# Altium PCB BOARD.PcbDoc
Units mm, origin at the board's own origin, x right, y up, seen from the top; angles counter-clockwise.
Board outline 22 x 50 mm, 2 copper layers (Top Layer, Bottom Layer), stack 1.559 mm thick; 78 components, 83 nets, 308 pads, 164 vias.
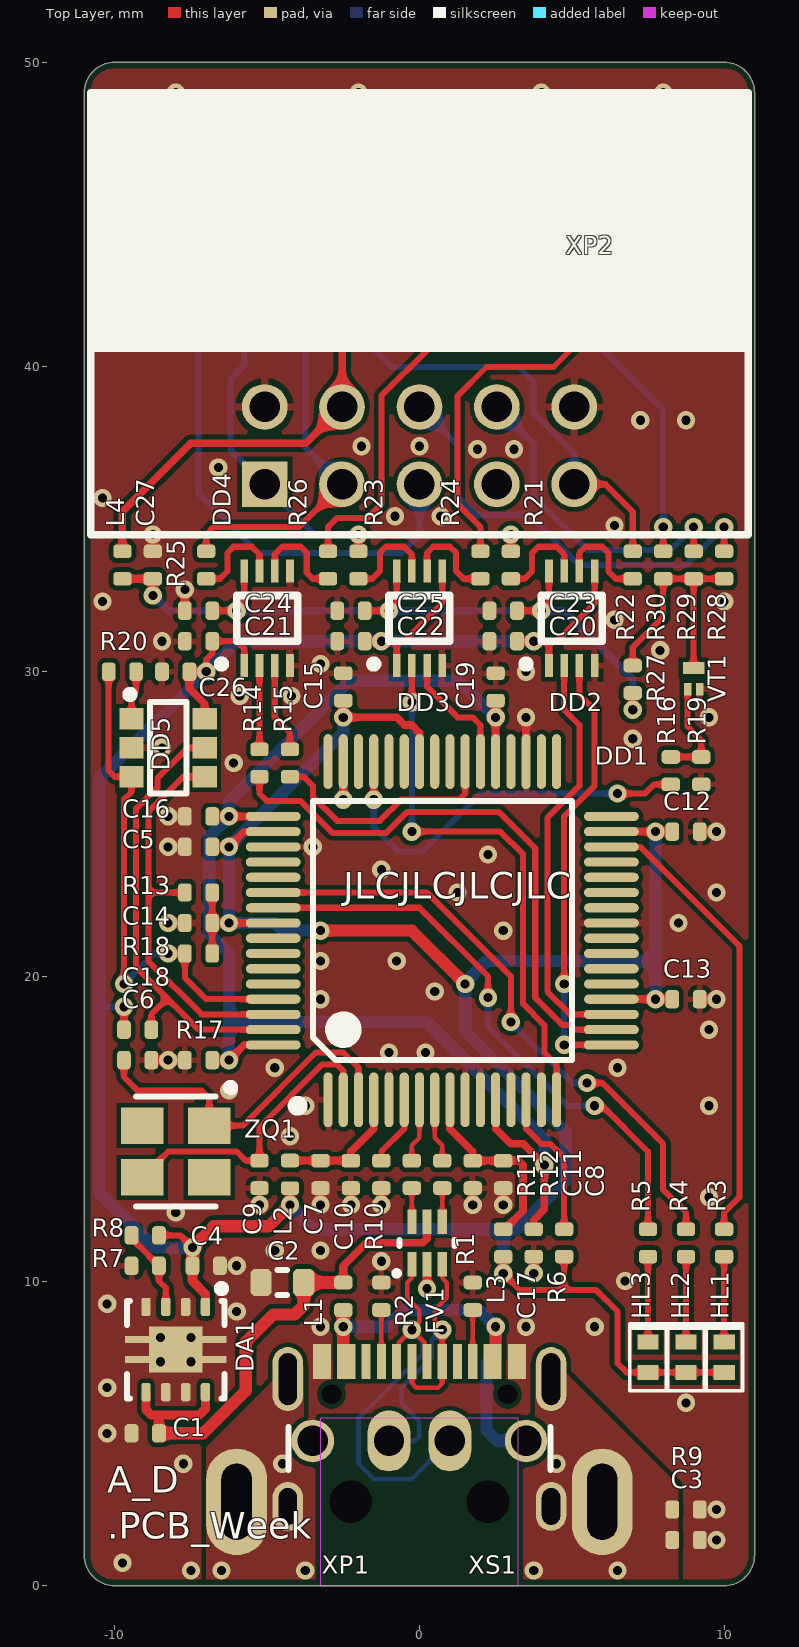
[diagram p0: Top Layer view]
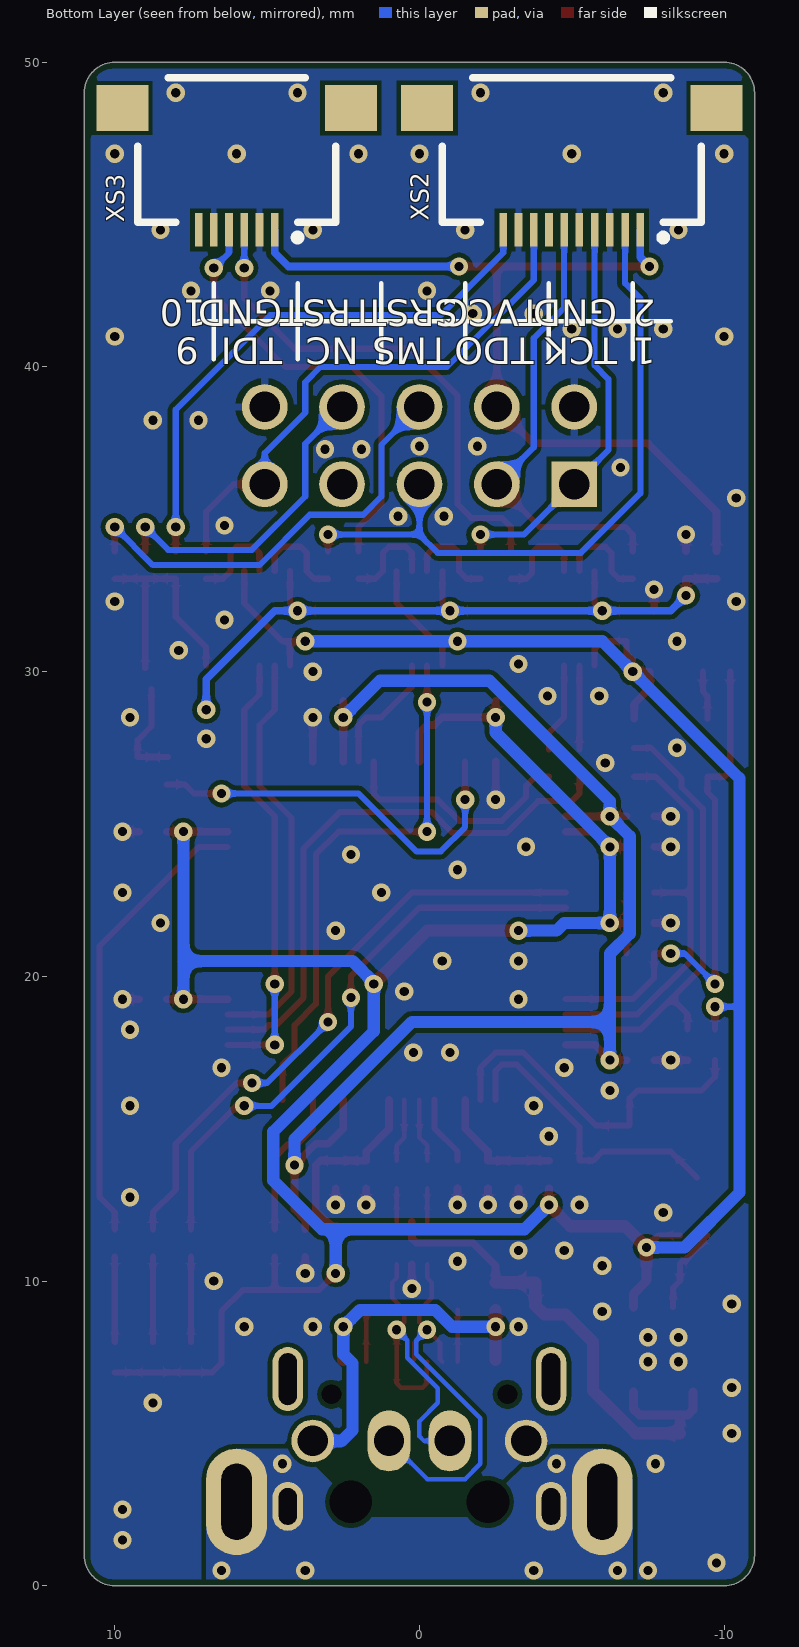
[diagram p1: Bottom Layer view, seen from below]
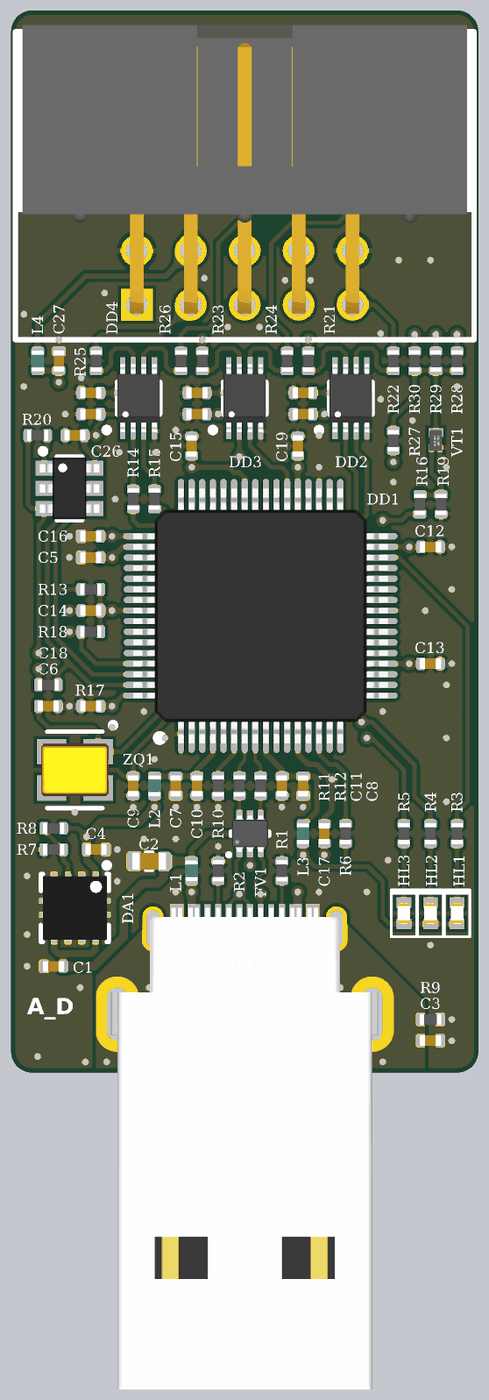
[diagram p2: 3D render of the assembled board from above, using the file's embedded part models]

## Layer stack, top to bottom
Top Solder: solder mask 0.01, Solder Resist, Dk 3.5
Top Layer: signal copper 0.03
Dielectric1: core 1.4986, Core-043, Dk 4.3
Bottom Layer: signal copper 0.03
Bottom Solder: solder mask 0.01, Solder Resist, Dk 3.5

## Board outline
-11,1 ccw(c-10,1) -10,0 10,0 ccw(c10,1) 11,1 11,49 ccw(c10,49) 10,50 -10,50 ccw(c-10,49) -11,49

## Design rules (kind name [scope] priority, off if disabled: settings)
BoardOutlineClearance [All] p1: gap=0.2 ignorepadtopadclearanceinfootprint=FALSE
Clearance [All] p1: gap=0.15 ignorepadtopadclearanceinfootprint=FALSE
ComponentClearance [All] p1 off: gap=0.25 collisioncheckmode=3 verticalgap=0.25 showdistances=FALSE
DiffPairsRouting [All] p1: maxlimit=0.4 minlimit=0.15 mostfreqgap=0.2 toplayer_minwidth=0.15 toplayer_maxwidth=0.15 toplayer_prefwidth=0.15 bottomlayer_minwidth=0.15 bottomlayer_maxwidth=0.15 bottomlayer_prefwidth=0.15 maxuncoupledlength=12
Height [All] p1: minheight=0 maxheight=25 prefheight=25
HoleSize [All] p1: absolutevalues=TRUE maxlimit=6 minlimit=0.3 maxpercent=80.000 minpercent=20.000
HoleToHoleClearance [All] p1: gap=0.25 allowstackedmicrovias=TRUE
MinimumSolderMaskSliver [All] p1 off: minsoldermaskwidth=0.254
PlaneClearance [All] p1: clearance=0.5
PlaneConnect [All] p1: planeconnectstyle=Relief reliefexpansion=0.5 reliefentries=4 reliefconductorwidth=0.25 reliefairgap=0.25
PolygonConnect PolygonConnect_DirectConnect [InComponentClass('DirectConnect')] p1: connectstyle=Direct reliefconductorwidth=0.254 reliefentries=4 polygonreliefangle="90 Angle" airgapwidth=0.254
PolygonConnect [All] p2: thpad.connectstyle=Relief thpad.reliefconductorwidth=0.25 thpad.reliefentries=4 thpad.polygonreliefangle="90 Angle" thpad.airgapwidth=0.2 smdpad.connectstyle=Relief smdpad.reliefconductorwidth=0.2 smdpad.reliefentries=4 smdpad.polygonreliefangle="90 Angle" smdpad.airgapwidth=0.15 via.connectstyle=Direct via.reliefconductorwidth=0.254 via.reliefentries=4 via.polygonreliefangle="90 Angle" via.airgapwidth=0.254
RoutingCorners [All] p1: cornerstyle=45-Degree minsetback=1.5 maxsetback=3.5
RoutingVias [All] p1: holewidth=0.6 width=1.2 viastyle="Through Hole" minholewidth=0.3 minwidth=0.6 maxholewidth=1 maxwidth=2
SMDEntry [All] p1: side=TRUE corner=TRUE anyangle=TRUE
SilkToSilkClearance [All] p1 off: silktosilkclearance=0.254
SilkToSolderMaskClearance [IsPad] p1 off: minsilkscreentomaskgap=0.254 clearancetoexposedcopper=TRUE
SolderMaskExpansion [All] p1: expansion=0.025
Width [All] p1: maxlimit=8 minlimit=0.15 preferedwidth=0.6
Width Width_TrackEnds [All] p2 off: maxlimit=0.25 minlimit=0.25 preferedwidth=0.25 checkconnectedcopper=TRUE
19 further rules are at their usual default settings.

## Classes and differential pairs
differential pair class USB: USB
component class DirectConnect: C1 C2 C3 C4 C5 C7 C8 C16 C27 DA1 FV1 L1 L4 R9 XP1 XS1
differential pair class USBD: USBD
differential pair USB: +USB_P -USB_N
differential pair USBD: +USBD_P -USBD_N

## Components (designator, comment, footprint, x,y, rotation, side; value= is the part's Value field where it differs from the comment)
C1 "Capacitor" C0402_L -9,5 r0 top value=1uF
C2 "Capacitor" C0603_L -4.5,9.952 r0 top value=10uF
C3 "" C0402_L 8.75,1.5 r180 top value=0.1uF
C4 "Capacitor" C0402_L -7,10.5 r180 top value=4.7uF
C5 "Capacitor" C0402_L -7.25,24.25 r0 top value=4.7uF
C6 "Capacitor" C0402_L -9.25,17.25 r180 top value=12pF
C7 "Capacitor" C0402_L -3.25,13.5 r90 top value=4.7uF
C8 "Capacitor" C0402_L 2.75,13.5 r90 top value=4.7uF
C9 "Capacitor" C0402_L -5.25,13.5 r90 top value=12pF
C10 "Capacitor" C0402_L -2.25,13.5 r90 top value=0.1uF
C11 "Capacitor" C0402_L 1.75,13.5 r90 top value=0.1uF
C12 "Capacitor" C0402_L 8.75,24.75 r180 top value=0.1uF
C13 "Capacitor" C0402_L 8.75,19.25 r180 top value=0.1uF
C14 "Capacitor" C0402_L -7.25,21.75 r0 top value=0.1uF
C15 "Capacitor" C0402_L -2.5,29.5 r270 top value=0.1uF
C16 "Capacitor" C0402_L -7.25,25.25 r0 top value=4.7uF
C17 "Capacitor" C0402_L 3.75,11.25 r90 top value=0.1uF
C18 "Capacitor" C0402_L -7.25,17.25 r0 top value=0.1uF
C19 "Capacitor" C0402_L 2.5,29.5 r270 top value=0.1uF
C20 "Capacitor" C0402_L 2.75,31 r0 top value=0.1uF
C21 "Capacitor" C0402_L -7.25,31 r0 top value=0.1uF
C22 "Capacitor" C0402_L -2.25,31 r0 top value=0.1uF
C23 "Capacitor" C0402_L 2.75,32 r0 top value=0.1uF
C24 "Capacitor" C0402_L -7.25,32 r0 top value=0.1uF
C25 "Capacitor" C0402_L -2.25,32 r0 top value=0.1uF
C26 "Capacitor" C0402_L -8,30 r180 top value=0.1uF
C27 "Capacitor" C0402_L -8.75,33.5 r270 top value=2.2uF
DA1 "TPS73701DRB" VSON-8_065P300X300X100_N -8,7.75 r180 top value=TPS73701DRBR
DD1 "FT2232Hx-Series" LQFP-64_050P1000X1000X160_N 0.75,21.5 r90 top locked value=FT2232HL
DD2 "SN74LVC2T45DCx-Series" VSSOP-8_050P200X230X090_N 5,31.75 r0 top value=SN74LVC2T45DCUR
DD3 "SN74LVC2T45DCx-Series" VSSOP-8_050P200X230X090_N 0,31.75 r0 top value=SN74LVC2T45DCUR
DD4 "SN74LVC2T45DCx-Series" VSSOP-8_050P200X230X090_N -5,31.75 r0 top value=SN74LVC2T45DCUR
DD5 "93xx56xx-OT-Series" SOT-23-6_095P290X160X145_N -8.25,27.5 r270 top value=93LC56BT-I/OT
FV1 "USBLC6-2x6" SOT-666_050P160X120X060_N 0.25,11.25 r0 top value=USBLC6-2P6
HL1 "Text" LD0402 10,7.5 r90 top value=KPHHS-1005QBC-D-V
HL2 "Text" LD0402 8.75,7.5 r90 top value=KPHHS-1005QBC-D-V
HL3 "Text" LD0402 7.5,7.5 r90 top value=KPHHS-1005QBC-D-V
L1 "FerriteBead" L0402_L -2.5,9.5 r90 top value=BLM15PD121SN1D
L2 "FerriteBead" L0402_L -4.25,13.5 r90 top value=BLM15PD121SN1D
L3 "FerriteBead" L0402_L 2.75,11.25 r90 top value=BLM15PD121SN1D
L4 "FerriteBead" L0402_L -9.75,33.5 r90 top value=BLM15PD121SN1D
R1 "Resistor" R0402_L 1.75,9.5 r270 top value=5.1k
R2 "Resistor" R0402_L -1.25,9.5 r270 top value=5.1k
R3 "Resistor" R0402_L 10,11.25 r90 top value=1k
R4 "Resistor" R0402_L 8.75,11.25 r90 top value=1k
R5 "Resistor" R0402_L 7.5,11.25 r90 top value=1k
R6 "Resistor" R0402_L 4.75,11.25 r90 top value=1k
R7 "Resistor" R0402_L -9,10.5 r0 top value=12k
R8 "Resistor" R0402_L -9,11.5 r0 top value=22.1k
R9 "" R0402_L 8.75,2.5 r0 top value=100k
R10 "Resistor" R0402_L -1.25,13.5 r90 top value=12k
R11 "Resistor" R0402_L -0.25,13.5 r90 top value=10
R12 "Resistor" R0402_L 0.75,13.5 r90 top value=10
R13 "Resistor" R0402_L -7.25,22.75 r0 top value=10k
R14 "Resistor" R0402_L -5.25,27 r90 top value=100
R15 "Resistor" R0402_L -4.25,27 r90 top value=100
R16 "Resistor" R0402_L 8.25,26.75 r90 top value=100
R17 "Resistor" R0402_L -9.25,18.25 r180 top value=10k
R18 "Resistor" R0402_L -7.25,20.75 r0 top value=10k
R19 "Resistor" R0402_L 9.25,26.75 r270 top value=10k
R20 "Resistor" R0402_L -9.75,30 r0 top value=2.2k
R21 "Resistor" R0402_L 3,33.5 r90 top value=100
R22 "Resistor" R0402_L 7,33.5 r90 top value=100
R23 "Resistor" R0402_L -2,33.5 r90 top value=100
R24 "Resistor" R0402_L 2,33.5 r90 top value=100
R25 "Resistor" R0402_L -7,33.5 r90 top value=100
R26 "Resistor" R0402_L -3,33.5 r90 top value=100
R27 "Resistor" R0402_L 7,29.75 r270 top value=10k
R28 "Resistor" R0402_L 10,33.5 r90 top value=0
R29 "Resistor" R0402_L 9,33.5 r90 top value=0
R30 "Resistor" R0402_L 8,33.5 r90 top value=0
VT1 "MOSFET-N_32" SOT-883B_035P060X100X040_N 9,29.75 r0 top value=NX3008NBKMB
XP1 "Text" DS1097 0,3 r0 top locked value=DS1097-B
XP2 "JTAG" IDC-10MR 0,42 r0 top locked value=IDC-10MR
XS1 "Text" U262-161N-4BVC11 0,0 r0 top locked value=U262-161N-4BVC11
XS2 "JTAG-FFC" XF2M-1015-1A -5,46.75 r180 bottom locked value=XF2M-1015-1A
XS3 "SWO" XF2M-0615-1A 6,46.75 r180 bottom locked value=XF2M-0615-1A
ZQ1 "Crystal-1_3p" "SMD 3.2x2.5mm" -8,14.25 r180 top value=12.88673_KX-7T-12.0MHz

## Footprints (in the part's own frame and the unit in brackets; to place one, negate y for a bottom-side part, rotate by r counter-clockwise, add the part's x,y. Pads: shape width x height; smd on the part's side, far side on the other; paste and mask are expansions set on the pad)
C0402_L [mm] "Chip Capacitor; Body 1.0 x 0.5 mm (LxW typ)"
  rrect50% 0.45x0.6 smd: 1(-0.45,0) 2(0.45,0)
  body extent -0.5,-0.25 0.5,0.25, height 0.61
C0603_L [mm] "Chip Capacitor; Body 1.6 x 0.8 mm (LxW typ)"
  rrect50% 0.7x0.9 smd: 1(-0.7,0) 2(0.7,0)
  silkscreen extent -0.15,-0.41 0.15,0.41, body extent -0.8,-0.4 0.8,0.4, height 0.91
DS1097 [mm]
  round 0 hole 1.4: 0(-2.25,-0.25) 0(2.25,-0.25)
  round 1.4 hole 1: 1(3.5,1.75) 4(-3.5,1.75)
  oval 1.4x2 hole 1: 2(1,1.75) 3(-1,1.75)
  oval 2x3.5 hole 1 slot 2.5 at 90 deg: SH(-6,-0.25) SH(6,-0.25)
  body extent -6.3,-17.93 6.3,2, height 3.3
IDC-10MR [mm]
  rect 1.5x1.5 hole 1: 1(-5.08,-5.85)
  round 1.5 hole 1: 2(-5.08,-3.31) 3(-2.54,-5.85) 4(-2.54,-3.31) 5(0,-5.85) 6(0,-3.31) 7(2.54,-5.85) 8(2.54,-3.31) 9(5.08,-5.85) 10(5.08,-3.31)
  silkscreen extent -10.8,-7.5 10.79,7, body extent -10.47,-6.25 10.47,7.31, height 8.98
L0402_L [mm] "Chip Coil; Body 1.0 x 0.5 mm (LxW typ)"
  rrect50% 0.45x0.6 smd: 1(-0.452,0) 2(0.452,0)
  body extent -0.5,-0.3 0.5,0.3, height 0.5
LD0402 [mm] "1005M"
  rect 0.5x0.7 smd: 1(-0.5,0) 2(0.5,0)
  silkscreen extent -1.1,-0.6 1.1,0.6, body extent -0.5,-0.3 0.5,0.3, height 0.2
LQFP-64_050P1000X1000X160_N [mm] "Thin QFP, 64-Leads, Body 10x10mm, Pitch 0.5mm, IPC Medium Density"
  oval 1.8x0.3 smd: 1(-5.55,3.75) 2(-5.55,3.25) 3(-5.55,2.75) 4(-5.55,2.25) 5(-5.55,1.75) 6(-5.55,1.25) 7(-5.55,0.75) 8(-5.55,0.25) 9(-5.55,-0.25) 10(-5.55,-0.75) 11(-5.55,-1.25) 12(-5.55,-1.75) 13(-5.55,-2.25) 14(-5.55,-2.75) 15(-5.55,-3.25) 16(-5.55,-3.75) 33(5.55,-3.75) 34(5.55,-3.25) 35(5.55,-2.75) 36(5.55,-2.25) 37(5.55,-1.75) 38(5.55,-1.25) 39(5.55,-0.75) 40(5.55,-0.25) 41(5.55,0.25) 42(5.55,0.75) 43(5.55,1.25) 44(5.55,1.75) 45(5.55,2.25) 46(5.55,2.75) 47(5.55,3.25) 48(5.55,3.75)
  oval 0.3x1.8 smd: 17(-3.75,-5.55) 18(-3.25,-5.55) 19(-2.75,-5.55) 20(-2.25,-5.55) 21(-1.75,-5.55) 22(-1.25,-5.55) 23(-0.75,-5.55) 24(-0.25,-5.55) 25(0.25,-5.55) 26(0.75,-5.55) 27(1.25,-5.55) 28(1.75,-5.55) 29(2.25,-5.55) 30(2.75,-5.55) 31(3.25,-5.55) 32(3.75,-5.55) 49(3.75,5.55) 50(3.25,5.55) 51(2.75,5.55) 52(2.25,5.55) 53(1.75,5.55) 54(1.25,5.55) 55(0.75,5.55) 56(0.25,5.55) 57(-0.25,5.55) 58(-0.75,5.55) 59(-1.25,5.55) 60(-1.75,5.55) 61(-2.25,5.55) 62(-2.75,5.55) 63(-3.25,5.55) 64(-3.75,5.55)
  silkscreen extent -5.87,-4.25 4.25,4.87, body extent -6,-6 6,6, height 1.6
R0402_L [mm] "Chip Resistor; Body 1.0 x 0.5 mm (LxW typ)"
  rrect50% 0.45x0.6 smd: 1(-0.45,0) 2(0.45,0)
  body extent -0.5,-0.26 0.5,0.26, height 0.36
"SMD 3.2x2.5mm" [mm]
  rect 1.4x1.2 smd paste+0: 1(-1.1,-0.85) 2(1.1,-0.85) 3(1.1,0.85) 4(-1.1,0.85)
  silkscreen extent -1.92,-2.22 1.3,1.8, body extent -1.6,-1.25 1.6,1.25, height 0.77
SOT-23-6_095P290X160X145_N [mm]
  rect 0.7x0.8 smd: 1(-0.95,-1.2) 2(0,-1.2) 3(0.95,-1.2) 4(0.95,1.2) 5(0,1.2) 6(-0.95,1.2)
  silkscreen extent -1.87,-1.37 1.5,0.6, body extent -1.45,-1.4 1.45,1.4, height 1.45
SOT-666_050P160X120X060_N [mm]
  rect 0.3x0.8 smd: 1(-0.5,-0.7) 2(0,-0.7) 3(0.5,-0.7) 4(0.5,0.7) 5(0,0.7) 6(-0.5,0.7)
  silkscreen extent -1.08,-1.08 0.9,0.1, body extent -0.85,-0.85 0.85,0.85, height 0.62
SOT-883B_035P060X100X040_N [mm]
  rect 0.25x0.4 smd: 1(-0.2,-0.325) 2(0.2,-0.325)
  rect 0.7x0.4 smd: 3(0,0.375)
  body extent -0.29,-0.49 0.29,0.49, height 0.48
U262-161N-4BVC11 [mm]
  round 0 hole 0.65 unplated: 0(-2.89,6.28) 0(2.89,6.28)
  rect 0.3x1.15 smd: A1(-3.35,7.355) A4(-2.55,7.355) A5(-1.25,7.355) A6(-0.25,7.355) A7(0.25,7.355) A8(-1.75,7.355) A9(2.55,7.355) A12(3.35,7.355) B1(3.05,7.355) B4(2.25,7.355) B5(1.75,7.355) B6(0.75,7.355) B7(-0.75,7.355) B8(1.25,7.355) B9(-2.25,7.355) B12(-3.05,7.355)
  oval 1x1.6 hole 0.6 slot 1.2 at 90 deg: SH(-4.32,2.6) SH(4.32,2.6)
  oval 1x2.1 hole 0.6 slot 1.7 at 90 deg: SH(-4.32,6.78) SH(4.32,6.78)
  Top Layer keep-out region: -3.25,0 3.25,0 3.25,5.5 -3.25,5.5
  silkscreen extent -4.3,3.8 4.3,5.2, body extent -4.48,0 4.48,7.75, height 3.26
VSON-8_065P300X300X100_N [mm]
  rrect50% 0.31x0.6 smd paste-0.025: 1(-0.975,-1.4) 2(-0.325,-1.4) 3(0.325,-1.4) 4(0.975,-1.4) 5(0.975,1.4) 6(0.325,1.4) 7(-0.325,1.4) 8(-0.975,1.4)
  rect 0.825x0.23 smd: TP(-1.25,-0.325) TP(-1.25,0.325) TP(1.25,-0.325) TP(1.25,0.325)
  rect 1.75x1.5 smd: TP(0,0)
  silkscreen extent -1.63,-2.12 1.6,1.6, body extent -1.52,-1.52 1.52,1.52, height 1.04
VSSOP-8_050P200X230X090_N [mm] "TSSOP, 8-Leads, Body 2,00x2,30mm, Pitch 0,50mm, IPC Medium Density"
  rect 0.25x0.75 smd: 1(-0.75,-1.55) 2(-0.25,-1.55) 3(0.25,-1.55) 4(0.75,-1.55) 5(0.75,1.55) 6(0.25,1.55) 7(-0.25,1.55) 8(-0.75,1.55)
  silkscreen extent -1.62,-1.62 1,0.75, body extent -1,-1.6 1,1.6, height 0.9
XF2M-0615-1A [mm]
  rect 0.25x1.1 smd mask+0.025: 1(1.25,-2.25) 2(0.75,-2.25) 3(0.25,-2.25) 4(-0.25,-2.25) 5(-0.75,-2.25) 6(-1.25,-2.25)
  rect 1.7x1.5 smd mask+0.025: SH(-3.75,1.75) SH(3.75,1.75)
  silkscreen extent -3.25,-2.6 3.25,2.75, body extent -3.55,-3.2 3.55,2.7, height 2
XF2M-1015-1A [mm]
  rect 0.25x1.1 smd mask+0.025: 1(2.25,-2.25) 2(1.75,-2.25) 3(1.25,-2.25) 4(0.75,-2.25) 5(0.25,-2.25) 6(-0.25,-2.25) 7(-0.75,-2.25) 8(-1.25,-2.25) 9(-1.75,-2.25) 10(-2.25,-2.25)
  rect 1.7x1.5 smd mask+0.025: SH(-4.75,1.75) SH(4.75,1.75)
  silkscreen extent -4.25,-2.6 4.25,2.75, body extent -4.55,-3.2 4.55,2.7, height 2

## Part data
C1: library part GRM155R61C105KA12D, Dielectric Type=X5R, Manufacturer=Murata, Tolerance=±10%, Voltage=16V, Working Temperature Max=+85°С, Working Temperature Min=-55°С, Application Category=1, ClassName=DirectConnect, ID=272, Part Number=GRM155R61C105KA12D, Published=18.05.2010, Publisher="Andrew Danich", Type=Конденсатор
C2: library part GRM188R61A106KE69D, Dielectric Type=X5R, Manufacturer=Murata, Tolerance=±10%, Voltage=10V, Working Temperature Max=+85°С, Working Temperature Min=-55°С, Application Category=1, ClassName=DirectConnect, ID=173, Part Number=GRM188R61A106KE69D, Published=18.05.2010, Publisher="Andrew Danich", Type=Конденсатор
C3: library part GCM155R71C104KA55D, Dielectric Type=X7R, Manufacturer=Murata, Tolerance=±10%, Voltage=16V, Working Temperature Max=+125°С, Working Temperature Min=-55°С, Application Category=1, ClassName=DirectConnect, Functional Analog=GRM155R71C104KA88D, ID=163, Part Number=GCM155R71C104KA55D, Published=18.05.2010, Publisher="Andrew Danich", Type=Конденсатор
C4 C5 C7 C8 C16: library part GRM155R60J475ME87D, Dielectric Type=X5R, Manufacturer=Murata, Tolerance=±20%, Voltage=6.3V, Working Temperature Max=+85°С, Working Temperature Min=-55°С, Application Category=1, ClassName=DirectConnect, ID=223, Part Number=GRM155R60J475ME87D, Published=18.05.2010, Publisher="Andrew Danich", Type=Конденсатор
C6 C9: library part GJM1555C1H120GB01D, Dielectric Type=NP0, Manufacturer=Murata, Schematic Value="12pF, 50V, NP0", Tolerance=±2%, Voltage=50V, Working Temperature Max=+125°С, Working Temperature Min=-55°С, Application Category=1, ID=257, Part Number=GJM1555C1H120GB01D, Published=18.05.2010, Publisher="Andrew Danich", Type=Конденсатор
C10 C11 C12 C13 C14 C15 C17 C18 C19 C20 C21 C22 C23 C24 C25 C26: library part GCM155R71C104KA55D, Dielectric Type=X7R, Manufacturer=Murata, Schematic Value="0.1uF, 16V, X7R", Tolerance=±10%, Voltage=16V, Working Temperature Max=+125°С, Working Temperature Min=-55°С, Application Category=1, Functional Analog=GRM155R71C104KA88D, ID=163, Part Number=GCM155R71C104KA55D, Published=18.05.2010, Publisher="Andrew Danich", Type=Конденсатор
C27: library part GRM155D71C225ME11D, Dielectric Type=X7T, Manufacturer=Murata, Tolerance=±20%, Voltage=16V, Working Temperature Max=+125°С, Working Temperature Min=-55°С, Application Category=1, ClassName=DirectConnect, Functional Analog=GRM155R60J225ME15D, ID=180, Part Number=GRM155D71C225ME11D, Published=18.05.2010, Publisher="Andrew Danich", Type=Конденсатор
DA1: library part TPS73701DRBR, Input Voltage=+2.2…5.5V, Manufacturer="Texas Instruments", Output Current=1A, Output Voltage=+1.2…5.5V, Working Temperature Max=+125°С, Working Temperature Min=-40°С, Application Category=1, ClassName=DirectConnect, Functional Analog=TPS73701DRBT, ID=26, Part Number=TPS73701DRBR, Published=25.03.2019, Publisher="Andrew Danich", Type=Микросхема
DD1: library part FT2232HL, Manufacturer=FTDI, Supply Current=70mA, Working Temperature Max=+85°C, Working Temperature Min=-40°C, Application Category=1, Channels=2, Functional Analog=-, ID=3, Input Interface="UART, FIFO, SPI, JTAG, I2C", OTG Support=No, Part Number=FT2232HL, Published=19.06.2020, Publisher="Andrew Danich", Supply Operation=+3.3V, Type=Микросхема, USB Speed Support="12 Mb/s", USB Type Support="USB 2.0"
DD2 DD3 DD4: library part SN74LVC2T45DCUR, Manufacturer="Texas Instruments", Supply Current=10uA, Working Temperature Max=+85°С, Working Temperature Min=-40°С, Application Category=1, Channels=2, Directional=Unidirection, Functional Analog=74LVCH2T45DC,125, ID=18, Max Data Rate=420Mbps, Part Number=SN74LVC2T45DCUR, Published=06.03.2020, Publisher="Andrew Danich", Supply 1 Operation=+1,65…5,5V, Supply 2 Operation=+1,65…5,5V, Type=Микросхема
DD5: library part 93LC56BT-I/OT, Clock Frequency=2MHz, Manufacturer=Microchip, Supply Current=2mA, Working Temperature Max=+85°С, Working Temperature Min=-40°С, Addressable=NO, Application Category=1, ID=18, Interface=SPI, Memory=2Kbit, Part Number=93LC56BT-I/OT, Published=19.06.2020, Publisher="Andrew Danich", Supply Operation=+2.5…5.5V, Type=Микросхема
FV1: library part USBLC6-2P6, Breakdown Voltage=6V, Forward Voltage=0.95V, Junction Capacitance=2.5pF, Manufacturer=STMicroelectronics, Peak Forward Current=5A, Reverse Stand Off Voltage=17V, Working Temperature Max=+125°С, Working Temperature Min=-40°С, Application Category=1, ClassName=DirectConnect, Directional=Bidirectional, Functional Analog=-, ID=30, Part Number=USBLC6-2P6, Published=21.02.2017, Publisher="Andrew Danich", Type=Супрессор
HL1 HL2 HL3: library part KPHHS-1005QBC-D-V, Color=Blue, Forward Current=20mA, Forward Voltage=3.3V, Manufacturer=Kingbright, Power Dissipation=120mW, Working Temperature Max=+85°С, Working Temperature Min=-40°С, Application Category=1, ID=24, Leds=1, Luminous Flux=60, Part Number=KPHHS-1005QBC-D-V, Published=03.12.2013, Publisher="Andrew Danich", Type="Индикатор единичный"
L1 L2 L3 L4: library part BLM15PD121SN1D, DC Resistance=0.09ohm, Inductor Type=EMIFIL, Manufacturer=Murata, Rated Current=1.3A, Tolerance=±25%, Working Temperature Max=+125°С, Working Temperature Min=-55°С, Application Category=1, ID=11, Impedance at 100Mhz=120ohm, Part Number=BLM15PD121SN1D, Published=14.11.2014, Publisher="Andrew Danich", Type=Дроссель
  L1 L4: ClassName=DirectConnect
R1 R2: library part RC0402FR-075K1L, Limit Voltage=50V, Manufacturer=Yageo, Temperature Coefficient=100ppm, Tolerance=±1%, Total Power Dissipation=0.1W, Working Temperature Max=+155°С, Working Temperature Min=-55°С, Application Category=1, ID=496, Part Number=RC0402FR-075K1L, Published=24.03.2010, Publisher="Andrew Danich", Series Type=Thick-Film, Type=Резистор
R3 R4 R5: library part RC0402JR-071KL, Limit Voltage=50V, Manufacturer=Yageo, Temperature Coefficient=100ppm, Tolerance=±5%, Total Power Dissipation=0.1W, Working Temperature Max=+155°С, Working Temperature Min=-55°С, Application Category=1, ID=3, Part Number=RC0402JR-071KL, Published=24.03.2010, Publisher="Andrew Danich", Series Type=Thick-Film, Type=Резистор
R6: library part RC0402JR-071KL, Limit Voltage=50V, Manufacturer=Yageo, Schematic Value="1k ±5%", Temperature Coefficient=100ppm, Tolerance=±5%, Total Power Dissipation=0.1W, Working Temperature Max=+155°С, Working Temperature Min=-55°С, Application Category=1, ID=3, Part Number=RC0402JR-071KL, Published=24.03.2010, Publisher="Andrew Danich", Series Type=Thick-Film, Type=Резистор
R7: library part RC0402FR-0712KL, Limit Voltage=50V, Manufacturer=Yageo, Temperature Coefficient=100ppm, Tolerance=±1%, Total Power Dissipation=0.1W, Working Temperature Max=+155°С, Working Temperature Min=-55°С, Application Category=1, ID=318, Part Number=RC0402FR-0712KL, Published=24.03.2010, Publisher="Andrew Danich", Series Type=Thick-Film, Type=Резистор
R8: library part RC0402FR-0722K1L, Limit Voltage=50V, Manufacturer=Yageo, Temperature Coefficient=100ppm, Tolerance=±1%, Total Power Dissipation=0.1W, Working Temperature Max=+155°С, Working Temperature Min=-55°С, Application Category=1, ID=447, Part Number=RC0402FR-0722K1L, Published=24.03.2010, Publisher="Andrew Danich", Series Type=Thick-Film, Type=Резистор
R9: library part RC0402JR-07100KL, Limit Voltage=50V, Manufacturer=Yageo, Temperature Coefficient=100ppm, Tolerance=±5%, Total Power Dissipation=0.1W, Working Temperature Max=+155°С, Working Temperature Min=-55°С, Application Category=1, ClassName=DirectConnect, ID=351, Part Number=RC0402JR-07100KL, Published=24.03.2010, Publisher="Andrew Danich", Series Type=Thick-Film, Type=Резистор
R10: library part RC0402FR-0712KL, Limit Voltage=50V, Manufacturer=Yageo, Schematic Value="12k ±1%", Temperature Coefficient=100ppm, Tolerance=±1%, Total Power Dissipation=0.1W, Working Temperature Max=+155°С, Working Temperature Min=-55°С, Application Category=1, ID=318, Part Number=RC0402FR-0712KL, Published=24.03.2010, Publisher="Andrew Danich", Series Type=Thick-Film, Type=Резистор
R11 R12: library part RC0402JR-0710RL, Limit Voltage=50V, Manufacturer=Yageo, Schematic Value="10 ±5%", Temperature Coefficient=100ppm, Tolerance=±5%, Total Power Dissipation=0.1W, Working Temperature Max=+155°С, Working Temperature Min=-55°С, Application Category=1, ID=477, Part Number=RC0402JR-0710RL, Published=24.03.2010, Publisher="Andrew Danich", Series Type=Thick-Film, Type=Резистор
R13 R17 R18 R19 R27: library part RC0402JR-0710KL, Limit Voltage=50V, Manufacturer=Yageo, Schematic Value="10k ±5%", Temperature Coefficient=100ppm, Tolerance=±5%, Total Power Dissipation=0.1W, Working Temperature Max=+155°С, Working Temperature Min=-55°С, Application Category=1, ID=476, Part Number=RC0402JR-0710KL, Published=24.03.2010, Publisher="Andrew Danich", Series Type=Thick-Film, Type=Резистор
R14 R15 R16 R21 R22 R23 R24 R25 R26: library part RC0402JR-07100RL, Limit Voltage=50V, Manufacturer=Yageo, Schematic Value="100 ±5%", Temperature Coefficient=100ppm, Tolerance=±5%, Total Power Dissipation=0.1W, Working Temperature Max=+155°С, Working Temperature Min=-55°С, Application Category=1, ID=479, Part Number=RC0402JR-07100RL, Published=24.03.2010, Publisher="Andrew Danich", Series Type=Thick-Film, Type=Резистор
R20: library part RC0402JR-072K2L, Limit Voltage=50V, Manufacturer=Yageo, Schematic Value="2.2k ±5%", Temperature Coefficient=100ppm, Tolerance=±5%, Total Power Dissipation=0.1W, Working Temperature Max=+155°С, Working Temperature Min=-55°С, Application Category=1, ID=379, Part Number=RC0402JR-072K2L, Published=24.03.2010, Publisher="Andrew Danich", Series Type=Thick-Film, Type=Резистор
R28 R29 R30: library part RC0402JR-070RL, Limit Voltage=50V, Manufacturer=Yageo, Schematic Value="0 ±5%", Temperature Coefficient=100ppm, Tolerance=±5%, Total Power Dissipation=0.1W, Working Temperature Max=+155°С, Working Temperature Min=-55°С, Application Category=1, ID=362, Part Number=RC0402JR-070RL, Published=24.03.2010, Publisher="Andrew Danich", Series Type=Thick-Film, Type=Резистор
VT1: library part NX3008NBKMB, D-S On-Resistance=1.4omh, D-S Voltage=30V, Drain Current=530mA, Gate Capacitance=50pF, Gate Threshold Voltage=1.1V, Manufacturer="NXP Semiconductors", Total Power Dissipation=360mW, Working Temperature Max=+150°С, Working Temperature Min=-55°С, Application Category=1, ID=36, Part Number=NX3008NBKMB, Published=24.09.2010, Publisher="Andrew Danich", Type=Транзистор
XP1: library part DS1097-B, Limit Current=1.5A, Limit Voltage=30V, Manufacturer="Connfly Electronic Co., Ltd", Application Category=1, ClassName=DirectConnect, Connector Type=Male, Functional Analog="USB-AR, DS1097-W", ID=3, Interface="USB 2.0", Max Data Rate="480 mbps", Mount Type="Through hole", Part Number=DS1097-B, Pins=6, Published=13.08.2015, Publisher="Andrew Danich", Type=Вилка
XP2: library part IDC-10MR, Limit Current=1A, Limit Voltage=500V, Resistance=20mohm, Application Category=1, Connector Type=Male, Functional Analog="DS1013-10RSIB, C3510-10SPGB00", ID=11, Part Number=IDC-10MR, Pins=10, Pitch=2.54mm, Published=07.03.2013, Publisher="Andrew Danich", Type=Вилка
XS1: library part U262-161N-4BVC11, Limit Current=3A, Limit Voltage=30V, Manufacturer="XKB Enterprise", Working Temperature Max=+85°С, Working Temperature Min=-40°С, Application Category=1, ClassName=DirectConnect, Connector Type=Female, Functional Analog=C167321, ID=41, Interface="USB 3.1 Type C", Max Data Rate="480 mbps", Mount Type=Surface, Part Number=U262-161N-4BVC11, Pins=16, Published=17.09.2018, Publisher="Andrew Danich", Type=Розетка
XS2: library part XF2M-1015-1A, Limit Current=500mA, Limit Voltage=50V, Manufacturer="Omron Electronics", Resistance=0.05ohm, Working Temperature Max=+85°С, Working Temperature Min=-30°С, Application Category=1, Connector Type=Female, ID=7, Part Number=XF2M-1015-1A, Pins=10, Pitch=0.5mm, Published=07.09.2015, Publisher="Viktor Klishin", Series=FPC, Type=Розетка
XS3: library part XF2M-0615-1A, Limit Current=500mA, Limit Voltage=50V, Manufacturer="Omron Electronics", Resistance=0.05ohm, Working Temperature Max=+85°С, Working Temperature Min=-30°С, Application Category=1, Connector Type=Female, ID=6, Part Number=XF2M-0615-1A, Pins=6, Pitch=0.5mm, Published=16.02.2017, Publisher="Viktor Klishin", Series=FPC, Type=Розетка
ZQ1: library part 12.88673_KX-7T-12.0MHz, Load Capacitance=12pF, Manufacturer="GEYER ELECTRONIC", Output Frequency=12МГц, Temperature Coefficient=±30ppm, Working Temperature Max=+85°С, Working Temperature Min=-40°С, Application Category=1, Functional Analog=-, ID=25, Part Number=12.88673_KX-7T-12.0MHz, Published=12.09.2014, Publisher="Andrew Danich", Type=Резонатор

## Via types
v1: diameter 0.6, hole 0.3, Top Layer to Bottom Layer, tented both sides, 160 vias
v2: diameter 0.6, hole 0.3, Top Layer to Bottom Layer, 4 vias

## Nets (pads, with @x,y where several pads share a name; then routed paths per layer and width w, separated by ;. In a path a pad name is that pad's centre, name@x,y a point inside that pad or via, vN(x,y) a via of type N, cw(c..) or ccw(c..) an arc to the next point about the centre after c; other vN are vias at no path point)
ACBUS0: DD1.26
ACBUS1: DD1.27
ACBUS2: DD1.28
ACBUS3: DD1.29
ACBUS4: DD1.30 R3.2 | length 15.1
  Top Layer w0.2: DD1.30 7.25,24.25 10.5,21 10.5,12.75 10,12.25 R3.2
ACBUS5: DD1.32
ACBUS6: DD1.33
ACBUS7: DD1.34
ADBUS0: DD1.16 DD3.2 | length 17.9
  Top Layer w0.2: v1(-0.25,24.75) 2.65,24.75 3.4,24 3.4,19.1 4.1,18.4 4.1,17.5 4.5,17.1 DD1.16 ; v1(-0.25,29) DD3.2
  Bottom Layer w0.2: v1(-0.25,24.75) v1(-0.25,29)
ADBUS1: DD1.17 DD2.3 | length 14.6
  Top Layer w0.2: v1(4.75,17.75) DD1.17 ; v1(4.75,19.75) 4.75,25.25 5.75,26.25 5.75,28.75 5.25,29.25 DD2.3
  Bottom Layer w0.2: v1(4.75,17.75) v1(4.75,19.75)
ADBUS2: DD1.18 R14.1 | length 18.8
  Top Layer w0.2: R14.1 -5.25,26 -5,25.75 -3.9,25.75 -2.85,24.7 -1.1,24.7 -0.4,25.4 2.6,25.4 3.8,24.2 3.8,19.3 4.7,18.4 4.95,18.4 5.1,18.25 DD1.18
ADBUS3: DD1.19 DD2.2 | length 13.8
  Top Layer w0.2: DD2.2 4.75,28.75 5.25,28.25 5.25,26.25 4.2,25.2 4.2,19.5 4.95,18.75 DD1.19
ADBUS4: DD1.21
ADBUS5: DD1.22
ADBUS6: DD1.23
ADBUS7: DD1.24
BCBUS0: DD1.48
BCBUS1: DD1.52
BCBUS2: DD1.53
BCBUS3: DD1.54 R4.2 | length 20.2
  Top Layer w0.2: DD1.54 0.25,22.75 3,20 v1(3,18.5) ; v1(5.5,16.5) 6,16.5 8,14.5 8,13 8.75,12.25 R4.2
  Bottom Layer w0.2: v1(3,18.5) 5,16.5 v1(5.5,16.5)
BCBUS4: DD1.55 R5.2 | length 19.1
  Top Layer w0.2: DD1.55 0,22.25 2.25,20 v1(2.25,19.3) ; v1(5.75,15.75) 6,15.75 7.5,14.25 R5.2
  Bottom Layer w0.2: v1(2.25,19.3) 2.25,18.35 4.85,15.75 v1(5.75,15.75)
BCBUS5: DD1.57
BCBUS6: DD1.58
BCBUS7: DD1.59
BDBUS0: DD1.38 DD3.3 | length 4.2
  Top Layer w0.2: DD3.3 0.25,29.5 1.25,28.5 1.75,28.5 2,28.25 DD1.38
BDBUS1: DD1.39 R15.1 | length 8
  Top Layer w0.2: R15.1 -3.8,26.55 -3.5,26.25 -3.5,25.9 -2.7,25.1 -1.3,25.1 -0.6,25.8 1.3,25.8 1.5,26 DD1.39
BDBUS2: DD1.40
BDBUS3: DD1.41
BDBUS4: DD1.43
BDBUS5: DD1.44
BDBUS6: DD1.45 R16.1 | length 13.2
  Top Layer w0.2: v1(-1.5,25.8) DD1.45 ; v1(6.5,26) 7.4,26 7.7,26.3 R16.1 R16.1@8.3,26.3
  Bottom Layer w0.2: v1(-1.5,25.8) -1.5,24.9 -0.7,24.1 0.1,24.1 2,26 v1(6.5,26)
BDBUS7: DD1.46
DEBUG_RXD: R26.2 XS3.3 | length 17
  Top Layer w0.2: R26.2 -3,34.75 -2.7,35.05 -1.7,35.05 -1.25,35.5 -1.25,39.05 0.3,40.6 4.1,40.6 5.75,42.25 v1(5.75,43.25)
  Bottom Layer w0.2: v1(5.75,43.25) XS3.3
DEBUG_TXD: R24.2 XS3.4 | length 14.6
  Top Layer w0.2: R24.2 2,34.75 1.25,35.5 1.25,39.05 2.2,40 4.4,40 6.75,42.35 v1(6.75,43.25)
  Bottom Layer w0.2: XS3.4 6.25,43.75 v1(6.75,43.25)
EE_CLK: DD1.62 DD5.4 R13.1 | length 13.3
  Top Layer w0.2: R13.1 -8.9,22.75 ; DD5.4 -7.75,26.55 -8.9,25.4 -8.9,22.75 ; DD1.62 -7.15,18.75 -8.9,20.5 -8.9,22.75
EE_CS_N: DD1.63 DD5.5 R17.1 | length 15
  Top Layer w0.2: R17.1 -8.8,18.75 -8.275,19.275 ; DD5.5 -7.6,27.5 -8.6,26.5 -8.6,26.2 -9.3,25.5 -9.3,20.3 -8.275,19.275 ; DD1.63 -7.25,18.25 -8.275,19.275
EE_DATA: DD1.61 DD5.3 R18.1 R20.1 | length 17.4
  Top Layer w0.2: R20.1 -10.2,26.75 -10,26.55 DD5.3 -9.45,26.05 -9.7,25.8 v1(-9.7,19.75) ; v1(-8.25,20.75) R18.1 -7.7,19.95 -7,19.25 DD1.61
  Bottom Layer w0.2: v1(-9.7,19.75) -8.7,20.75 v1(-8.25,20.75)
FTVCC: C23.2 C24.2 C25.2 C27.2 DD2.8 DD3.8 DD4.8 L4.1 R27.2 | length 26.6
  Top Layer w0.2: C24.2 v1(-6,32) -5.75,32.25 DD4.8 ; C25.2 v1(-1,32) -0.75,32.25 DD3.8 ; C23.2 v1(4,32) 4.25,32.25 DD2.8 ; v1(7,28.75) R27.2
  Top Layer w0.25: L4.1 -8.752,33.048 C27.2 v1(-8.75,32.5)
  Bottom Layer w0.25: v1(-8.75,32.5) -8.25,32 v1(4,32) 4.75,32 7,29.75 v1(7,28.75)
GND: C1.1 C2.1 C3.1 C4.1 C5.1 C6.1 C7.1 C8.1 C9.1 C10.1 C11.1 C12.1 C13.1 C14.1 C15.1 C16.1 C17.1 C18.1 C19.1 C20.1 C21.1 C22.1 C23.1 C24.1 C25.1 C26.2 C27.1 DA1.2 DA1.4 DA1.6 DA1.7 DA1.TP DD1.1 DD1.5 DD1.10 DD1.11 DD1.13 DD1.15 DD1.25 DD1.35 DD1.47 DD1.51 DD2.4 DD3.4 DD4.4 DD4.5 DD5.2 FV1.2 R1.1 R2.1 R7.1 R9.2 R10.1 R19.2 VT1.2 XP1.4 XP2.2 XP2.10 XS1.A1 XS1.A12 XS1.B1 XS1.B12 XS2.3 XS2.5 XS2.9 XS3.2 XS3.5 | length 11.9
  Top Layer w0.25: C6.1 v1(-8.25,17.25) C18.1 ; C27.1 v1(-8.75,34.5) ; v1(-8.25,21.75) C14.1 ; v1(-8.25,24.25) C5.1 ; v1(-8.25,25.25) C16.1 ; C24.1 v1(-7.7,32.7) ; v1@-4.25,14.75 v1(-4.248,14.75) ; v1(-3.25,12.5) C7.1 ; v1(-2.5,25.8) DD1.47 ; v1(-2.25,12.5) C10.1 ; v1(-1.25,12.5) R10.1 ; v1(0.25,9.75) FV1.2 ; v1(1.75,12.5) C11.1 ; v1(2.75,12.5) C8.1 ; DD1.35 v1(3.5,28.5) ; v1(3.75,10.25) C17.1 ; C13.1 v1(9.75,19.25) ; C12.1 v1(9.75,24.75)
  other v1: -7.5,0.5 -9.75,0.75 9.75,1.5 9.75,2.5 -7.75,4 -10.25,5 8.75,6 -10.25,6.5 -3.25,8.5 3.5,8.5 5.75,8.5 -6,9 -10.25,9.25 6.75,10 -6,10.5 -1.25,10.65 -4.75,11 -3.25,11 -8,12.25 -5.25,12.5 9.5,12.75 -3.75,15.75 9.5,15.75 -6.25,16.25 -4.75,17 6.5,17 -1,17.5 0.2,17.5 9.5,18.25 -3.25,19.25 0.5,19.5 -3.25,20.5 -0.75,20.5 2.75,21.5 8.5,21.75 1.25,22.75 9.75,22.75 -1.25,23.5 2.25,24 -3.5,24.25 -6.1,27 -8.45,27.5 7,27.8 9.5,28.5 -5.9,29.2 -4.2,29.2 3.5,30 -3.25,30.25 7.9,30.7 -8.45,31 6.4,31.7 -10.4,32.3 10,32.3 6.4,34.8 -0.8,35.1 0.7,35.1 -10.4,35.7 -6.6,36.7 1.9,37.3 3.1,37.3 -1.9,37.4 0,37.4 7.25,38.25 8.75,38.25 -10,41 10,41 -8,41.25 -6.5,41.25 -5,41.25 -3.75,41.75 -1.75,41.75 -0.25,42.5 4.9,42.5 7.5,42.5 -8.5,44.5 -1.5,44.5 3.5,44.5 8.5,44.5 -10,47 -5,47 0,47 2,47 6,47 10,47 -8,49 -2,49 4,49 8,49
  other v2: -8.5,7.35 -7.5,7.35 -8.5,8.15 -7.5,8.15
JTAG_RST_N: R30.2 XS2.10 | length 18.3
  Top Layer w0.2: R30.2 v1(8,34.75)
  Bottom Layer w0.2: XS2.10 -2.75,43.75 -0.7,41.7 4.9,41.7 8,38.6 v1(8,34.75)
JTAG_SRST_N: R28.2 XP2.6 | length 14.5
  Top Layer w0.2: R28.2 v1(10,34.75)
  Bottom Layer w0.2: XP2.6 1.25,37.44 1.25,35.75 1.85,35.15 3.6,35.15 5.25,33.5 8.75,33.5 v1(10,34.75)
JTAG_TCK: R23.2 XP2.1 XS2.4 | length 13.3
  Top Layer w0.2: R23.2 v1(-2,34.5)
  Bottom Layer w0.2: XS2.4 -5.75,40.05 -6.2,39.6 -6.2,37.27 XP2.1 -3.43,34.5 v1(-2,34.5)
JTAG_TDI: R22.2 XP2.9 XS2.8 | length 18
  Top Layer w0.2: XP2.9 6.1,36.15 7,35.25 R22.2
  Bottom Layer w0.2: XS2.8 -3.75,42.85 -0.9,40 3.25,40 3.75,39.5 3.75,38.5 5.08,37.17 XP2.9
JTAG_TDO: R25.2 XP2.3 XS2.6 | length 15
  Top Layer w0.2: R25.2 -7,34.5 -6.75,34.75 -3.94,34.75 XP2.3
  Bottom Layer w0.2: XS2.6 -4.75,41.95 -3.75,40.95 -3.75,37.36 XP2.3
JTAG_TMS: R21.2 XP2.5 XS2.2 | length 22.4
  Top Layer w0.2: R21.2 v1(3,34.5)
  Bottom Layer w0.2: XS2.2 -6.75,42.75 -7.25,42.25 -7.25,35.85 -5.3,33.9 -0.6,33.9 0,34.5 ; XP2.5 0,34.5 ; v1(3,34.5) 0,34.5
JTAG_TRST_N: R29.2 XP2.8 | length 10.5
  Top Layer w0.2: R29.2 v1(9,34.75)
  Bottom Layer w0.2: XP2.8 3.75,37.48 3.75,35.75 5.5,34 8.25,34 v1(9,34.75)
NetDA1_3: DA1.3 R7.2 R8.1 | length 2.9
  Top Layer w0.2: R8.1 -9.333,11.383 -9.333,11.283 -8.742,10.692 -8.674,10.692 -8.55,10.568 R7.2 -8.55,10 -8.325,9.775 DA1.3
NetDD1_6: DD1.6 R10.2 | length 2.3
  Top Layer w0.2: R10.2 -1.25,14.25 -0.5,15 DD1.6
NetDD1_7: DD1.7 R11.2 | length 2.1
  Top Layer w0.15: R11.2 -0.25,14.45 0,14.7 DD1.7
NetDD1_8: DD1.8 R12.2 | length 2.1
  Top Layer w0.15: DD1.8 0.5,14.7 0.75,14.45 R12.2
NetDD2_6: DD2.6 R22.1 | length 3.2
  Top Layer w0.2: DD2.6 5.25,33.9 5.45,34.1 6,34.1 6.2,33.9 6.2,33.3 6.45,33.05 R22.1
NetDD2_7: DD2.7 R21.1 | length 3.2
  Top Layer w0.2: R21.1 3.45,33.05 3.7,33.3 3.7,33.9 3.9,34.1 4.5,34.1 4.75,33.85 DD2.7
NetDD3_6: DD3.6 R24.1 | length 3.2
  Top Layer w0.2: DD3.6 0.25,33.9 0.45,34.1 1,34.1 1.2,33.9 1.2,33.3 1.45,33.05 R24.1
NetDD3_7: DD3.7 R23.1 | length 3.2
  Top Layer w0.2: R23.1 -1.55,33.05 -1.3,33.3 -1.3,33.9 -1.1,34.1 -0.5,34.1 -0.25,33.85 DD3.7
NetDD4_2: DD4.2 R14.2 | length 2.8
  Top Layer w0.2: R14.2 DD4.2
NetDD4_3: DD4.3 R15.2 | length 3
  Top Layer w0.2: DD4.3 -4.75,28.5 -4.25,28 R15.2
NetDD4_6: DD4.6 R26.1 | length 3.2
  Top Layer w0.2: DD4.6 -4.75,33.85 -4.5,34.1 -3.9,34.1 -3.7,33.9 -3.7,33.25 -3.5,33.05 R26.1
NetDD4_7: DD4.7 R25.1 | length 3.2
  Top Layer w0.2: R25.1 -6.55,33.05 -6.3,33.3 -6.3,33.9 -6.1,34.1 -5.5,34.1 -5.25,33.85 DD4.7
NetDD5_1: DD5.1 R20.2 | length 1.6
  Top Layer w0.2: DD5.1 -9.45,29.2 -9.3,29.35 R20.2
NetHL1_2: HL1.2 R3.1 | length 2.8
  Top Layer w0.2: HL1.2 R3.1
NetHL2_2: HL2.2 R4.1 | length 2.8
  Top Layer w0.2: HL2.2 R4.1
NetHL3_2: HL3.2 R5.1 | length 2.8
  Top Layer w0.2: HL3.2 R5.1
NetR1_2: R1.2 XS1.B5 | length 1.7
  Top Layer w0.15: XS1.B5 R1.2
NetR2_2: R2.2 XS1.A5 | length 1.7
  Top Layer w0.15: XS1.A5 R2.2
NetR16_2: R16.2 R19.1 VT1.1 | length 3.4
  Top Layer w0.2: R16.2 R19.1 9.25,27.75 8.8,28.2 VT1.1
NetR27_1: R27.1 R28.1 R29.1 R30.1 VT1.3 | length 8.2
  Top Layer w0.2: R27.1 7,30.8 8,31.8 R30.1 R29.1 ; VT1.3 R29.1 ; R28.1 R29.1
OSCI_12M: C9.2 DD1.2 ZQ1.3 | length 10.1
  Top Layer w0.2: ZQ1.3 -8.25,14.25 -6,14.25 -5.7,13.95 C9.2 -5.25,15.05 -3.2,17.1 -2.7,17.1 -2.5,16.9 DD1.2
OSCO_12M: C6.2 DD1.3 ZQ1.1 | length 11.7
  Top Layer w0.2: C6.2 -9.7,16.7 -9.25,16.25 -7.15,16.25 -6.9,16 ZQ1.1 -5.8,15.1 -3.4,17.5 -2.5,17.5 -2,17 DD1.3
POWEREN_N: DD1.60
RESET_N: DD1.14 R6.2 | length 4.9
  Top Layer w0.2: DD1.14 3.5,15 4,14.5 4.3,14.5 4.75,14.05 R6.2
SHLD: C3.2 R9.1 XP1.SH XS1.SH
  other v1: -6.5,0.5 -3.75,0.5 3.75,0.5 6.5,0.5 -4.5,4 4.5,4
SUSPEND_N: DD1.36
TVCC: L4.2 XP2.4 XS2.1 XS3.1 | length 29.1
  Top Layer w0.25: L4.2 -9.75,35.25 -7.5,37.5 -3.73,37.5 XP2.4 -2.54,43.3 ; v1(-7.55,43.3) -2.54,43.3 ; v1(-1.3,43.3) -2.54,43.3
  Bottom Layer w0.25: v1(-7.55,43.3) -7.25,43.6 XS2.1 ; v1(-1.3,43.3) 4.3,43.3 4.75,43.75 XS3.1
USB_N: FV1.6 R11.1 | length 1.1
  Top Layer w0.15: FV1.6 R11.1
USB_P: FV1.4 R12.1 | length 1.1
  Top Layer w0.15: FV1.4 R12.1
USBD_N: FV1.1 XP1.2 XS1.A7 XS1.B7 | length 14.1
  Top Layer w0.15: XS1.B7 -0.675,7.43 -0.675,7.975 v1(-0.25,8.4) ; FV1.1 -0.25,10.1 -0.4,9.95 -0.4,9.45 0,9.05 0,8.65 v1(-0.25,8.4) ; XS1.A7 0.175,7.43 0.175,7.975 v1(-0.25,8.4)
  Bottom Layer w0.15: v1(-0.25,8.4) 0.1,8.05 0.1,7.6 -2,5.5 -2,4 -1.5,3.5 -0.25,3.5 XP1.2
USBD_P: FV1.3 XP1.3 XS1.A6 XS1.B6 | length 11.4
  Top Layer w0.15: XS1.A6 -0.243,7.348 -0.243,6.643 -0.1,6.5 0.607,6.5 0.75,6.643 XS1.B6 v1(0.75,8.4) 0.5,8.65 0.5,9.05 0.9,9.45 0.9,9.95 0.75,10.1 FV1.3
  Bottom Layer w0.15: XP1.3 -0.15,4.75 0,4.9 0,5.4 -0.6,6 -0.6,6.476 0.4,7.476 0.4,8.05 v1(0.75,8.4)
VBUS: L1.1 XP1.1 XS1.A4 XS1.A9 XS1.B4 XS1.B9 | length 13.2
  Top Layer w0.4: XS1.A4@-2.5,7.405 v1(-2.5,8.5) L1.1 ; XS1.A9@2.5,7.405 v1(2.5,8.5)
  Bottom Layer w0.4: v1(-2.5,8.5) -1.069,8.5 -0.519,9.05 1.95,9.05 v1(2.5,8.5) 2.5,7.6 2.2,7.3 2.2,5.1 2.55,4.75 XP1.1
VCC1P8: C16.2 C17.2 C18.2 C19.2 DD1.12 DD1.37 DD1.49 DD1.64 | length 44.2
  Top Layer w0.25: C18.2 v1(-6.25,17.25) -5.75,17.75 DD1.64 ; C16.2 v1(-6.25,25.25) DD1.49 ; DD1.12 2.5,15 3,14.5 3.4,14.5 4.1,13.8 4.1,12.35 3.75,12 C17.2 ; DD1.37 v1(2.5,28.5) C19.2
  Bottom Layer w0.4: v1(-6.25,17.25) -6.25,18.5 ; v1(2.5,28.5) 1.3,29.7 -2.3,29.7 -6.25,25.75 v1(-6.25,25.25) -6.9,24.6 -6.9,21.4 -6.25,20.75 -6.25,18.5 ; v1(4.1,13.803) 4.1,14.65 0.25,18.5 -6.25,18.5
VCC3P3: C4.2 C5.2 C12.2 C13.2 C14.2 C15.2 C20.2 C21.2 C22.2 C26.1 DA1.1 DD1.20 DD1.31 DD1.42 DD1.50 DD1.56 DD2.1 DD2.5 DD3.1 DD3.5 DD4.1 DD5.6 HL1.1 HL2.1 HL3.1 L2.1 L3.1 R6.1 R8.2 R13.2 R17.2 R18.2 | length 131.6
  Top Layer w0.2: R17.2 v1(-9.7,19) ; R8.2 -7.85,11.5 v1(-7.45,11.1) ; v1(-7,30) -7,30.4 -6.8,30.6 C21.2 -6,31 -5.75,30.75 DD4.1 ; R18.2 C14.2 R13.2 ; C22.2 -0.75,31 ; DD3.1 -0.75,31 ; DD3.5 0.75,32.25 -0.5,31 -0.75,31 ; v1(2.75,10.25) 3.3,9.7 4.75,9.7 ; C20.2 4.25,31 ; DD2.1 4.25,31 ; R6.1 4.75,9.7 ; DD2.5 5.75,32.25 4.5,31 4.25,31 ; HL1.1 HL2.1 HL3.1 6.8,7 6.5,7.3 6.5,9 5.8,9.7 4.75,9.7
  Top Layer w0.25: DD5.6 -7.05,28.95 -7.55,29.45 C26.1 v1(-7,30) ; C14.2 DD1.56 ; C5.2 v1(-6.25,24.25) -5.75,24.75 DD1.50 ; v1(-4.25,12.5) L2.1 ; C15.2 v1(-2.5,28.5) -0.75,28.5 -0.5,28.25 -0.25,28.25 0,28 DD1.42 ; v1(2.75,10.25) L3.1 ; DD1.20 C13.2 ; DD1.31 C12.2
  Top Layer w0.3: C4.2 -7.45,10 -7.025,9.575 DA1.1
  Top Layer w0.4: C4.2 v1(-7.45,11.1) -6.75,11.8 -4.95,11.8 v1(-4.25,12.5) ; v1(-3.25,21.5) -0.25,21.5 v1(1.5,19.75)
  Bottom Layer w0.2: -10.5,19 v1(-9.7,19)
  Bottom Layer w0.4: v1(-7.45,11.1) -8.7,11.1 -10.5,12.9 -10.5,19 -10.5,26.5 v1(-7,30) -6,31 v1(-1.25,31) v1(3.75,31) ; v1(-4.25,12.5) -3.45,11.7 2.75,11.7 ; v1(-3.25,21.5) -4.5,21.5 -4.75,21.75 v1(-6.25,21.75) v1(-6.25,24.25) -2.5,28 v1(-2.5,28.5) ; v1(2.75,10.25) 2.75,11.7 ; v1(7.75,19.25) 7.75,20.5 ; v1(7.75,24.75) 7.75,20.5 ; 2.75,11.7 3.2,11.7 4.8,13.3 4.8,14.9 1.5,18.2 v1(1.5,19.75) 1.5,19.8 2.2,20.5 7.75,20.5
VCC5P0: C1.2 C2.2 DA1.5 DA1.8 FV1.5 L1.2 | length 17.5
  Top Layer w0.25: L1.2 -2.5,10.5 -1.75,11.25 0.104,11.25 0.25,11.396 FV1.5
  Top Layer w0.3: DA1.5 -8.975,5.775 -8.8,5.6 -8.55,5.6 ; C1.2 -8.55,5.6 ; DA1.8 -7.025,5.8 -7.225,5.6 -8.55,5.6
  Top Layer w0.4: C1.2 -7.1,5 -5.7,6.4 -5.7,8 -4.8,8.9 -4.1,8.9 -3.8,9.2 C2.2 L1.2
VCC_PHY: C7.2 C10.2 DD1.4 L2.2 | length 4.3
  Top Layer w0.25: L2.2 -4.248,13.95 C7.2 C10.2 -2.25,14.25 -1.5,15 DD1.4
VCC_PLL: C8.2 C11.2 DD1.9 L3.2 | length 6.4
  Top Layer w0.25: DD1.9 1,15 1.75,14.25 C11.2 C8.2 2.752,13.952 3.251,13.952 3.4,13.803 3.4,12.3 2.802,11.702 L3.2
pads on no net: XP1.0 XP2.7 XS1.0 XS1.A8 XS1.B8 XS2.7 XS2.SH XS3.6 XS3.SH ZQ1.2 ZQ1.4

## Polygon pours and split planes (outlines as drawn)
no net on Top Solder "GND_L02_P-001" (solid, remove dead copper): -11,31
GND on Bottom Layer "GND_L02_P004" (solid, remove dead copper, pour order 4): -11,0 11,0 11,50 -11,50
SHLD on Bottom Layer "SHLD_L02_P000" (solid, remove dead copper, pour order 0): -7,0 -7,3.5 -6,4.5 -3.5,4.5 -3.5,4 -1.75,2.25 1.75,2.25 3.5,4 3.5,4.5 6,4.5 7,3.5 7,0
GND on Top Layer "GND_L01_P006" (solid, remove dead copper, pour order 6): -11,0 11,0 11,50 -11,50
SHLD on Top Layer "SHLD_L01_P002" (solid, remove dead copper, pour order 2): -7,0.046 -7,4.546 -4.8,6.746 -4.8,7.3 -3.8,7.3 -3.8,4.346 -1.75,2.296 1.75,2.296 3.8,4.346 3.8,7.3 4.8,7.3 4.8,6.996 8.5,3.296 8.5,0.046

## Silkscreen, mask and mechanical layers (free items; w line width, h text height)
Top Overlay:
  text "JLCJLCJLCJLC" at -2.5,22.25 h1.5
  text "A_D" at -10.25,2.75 h1.5
  text ".PCB_Week" at -10.25,1.25 h1.5
Bottom Overlay:
  lines w0.15: -8.25,41.5 7.25,41.5 ; -7,40.25 -7,42.75 ; -4.25,40.25 -4.25,42.75 ; -1.5,40.25 -1.5,42.75 ; 1.25,40.25 1.25,42.75 ; 4,40.25 4,42.75 ; 6.75,40.25 6.75,42.75
  text "2" at -7.75,42.5 h1.5 r180
  text "GND" at -6.5,42.5 h1.5 r180
  text "TVCC" at -4,42.5 h1.5 r180
  text "SRST" at -1.25,42.5 h1.5 r180
  text "TRST" at 1.5,42.5 h1.5 r180
  text "GND" at 4.5,42.5 h1.5 r180
  text "10" at 7,42.5 h1.5 r180
  text "1" at -7.75,41.25 h1.5 r180
  text "TCK" at -6.5,41.25 h1.5 r180
  text "TDO" at -3.75,41.25 h1.5 r180
  text "TMS" at -1,41.25 h1.5 r180
  text "NC" at 2,41.25 h1.5 r180
  text "TDI" at 4.5,41.25 h1.5 r180
  text "9" at 7.25,41.25 h1.5 r180
Bottom Solder:
  text "'.PCB_Week'" at -26,11.5 h2 r270
1 - Board Outline:
  the board outline again, w0.2